# Altium PCB Power_Board.PcbDoc (part 1 of 3) (continued)
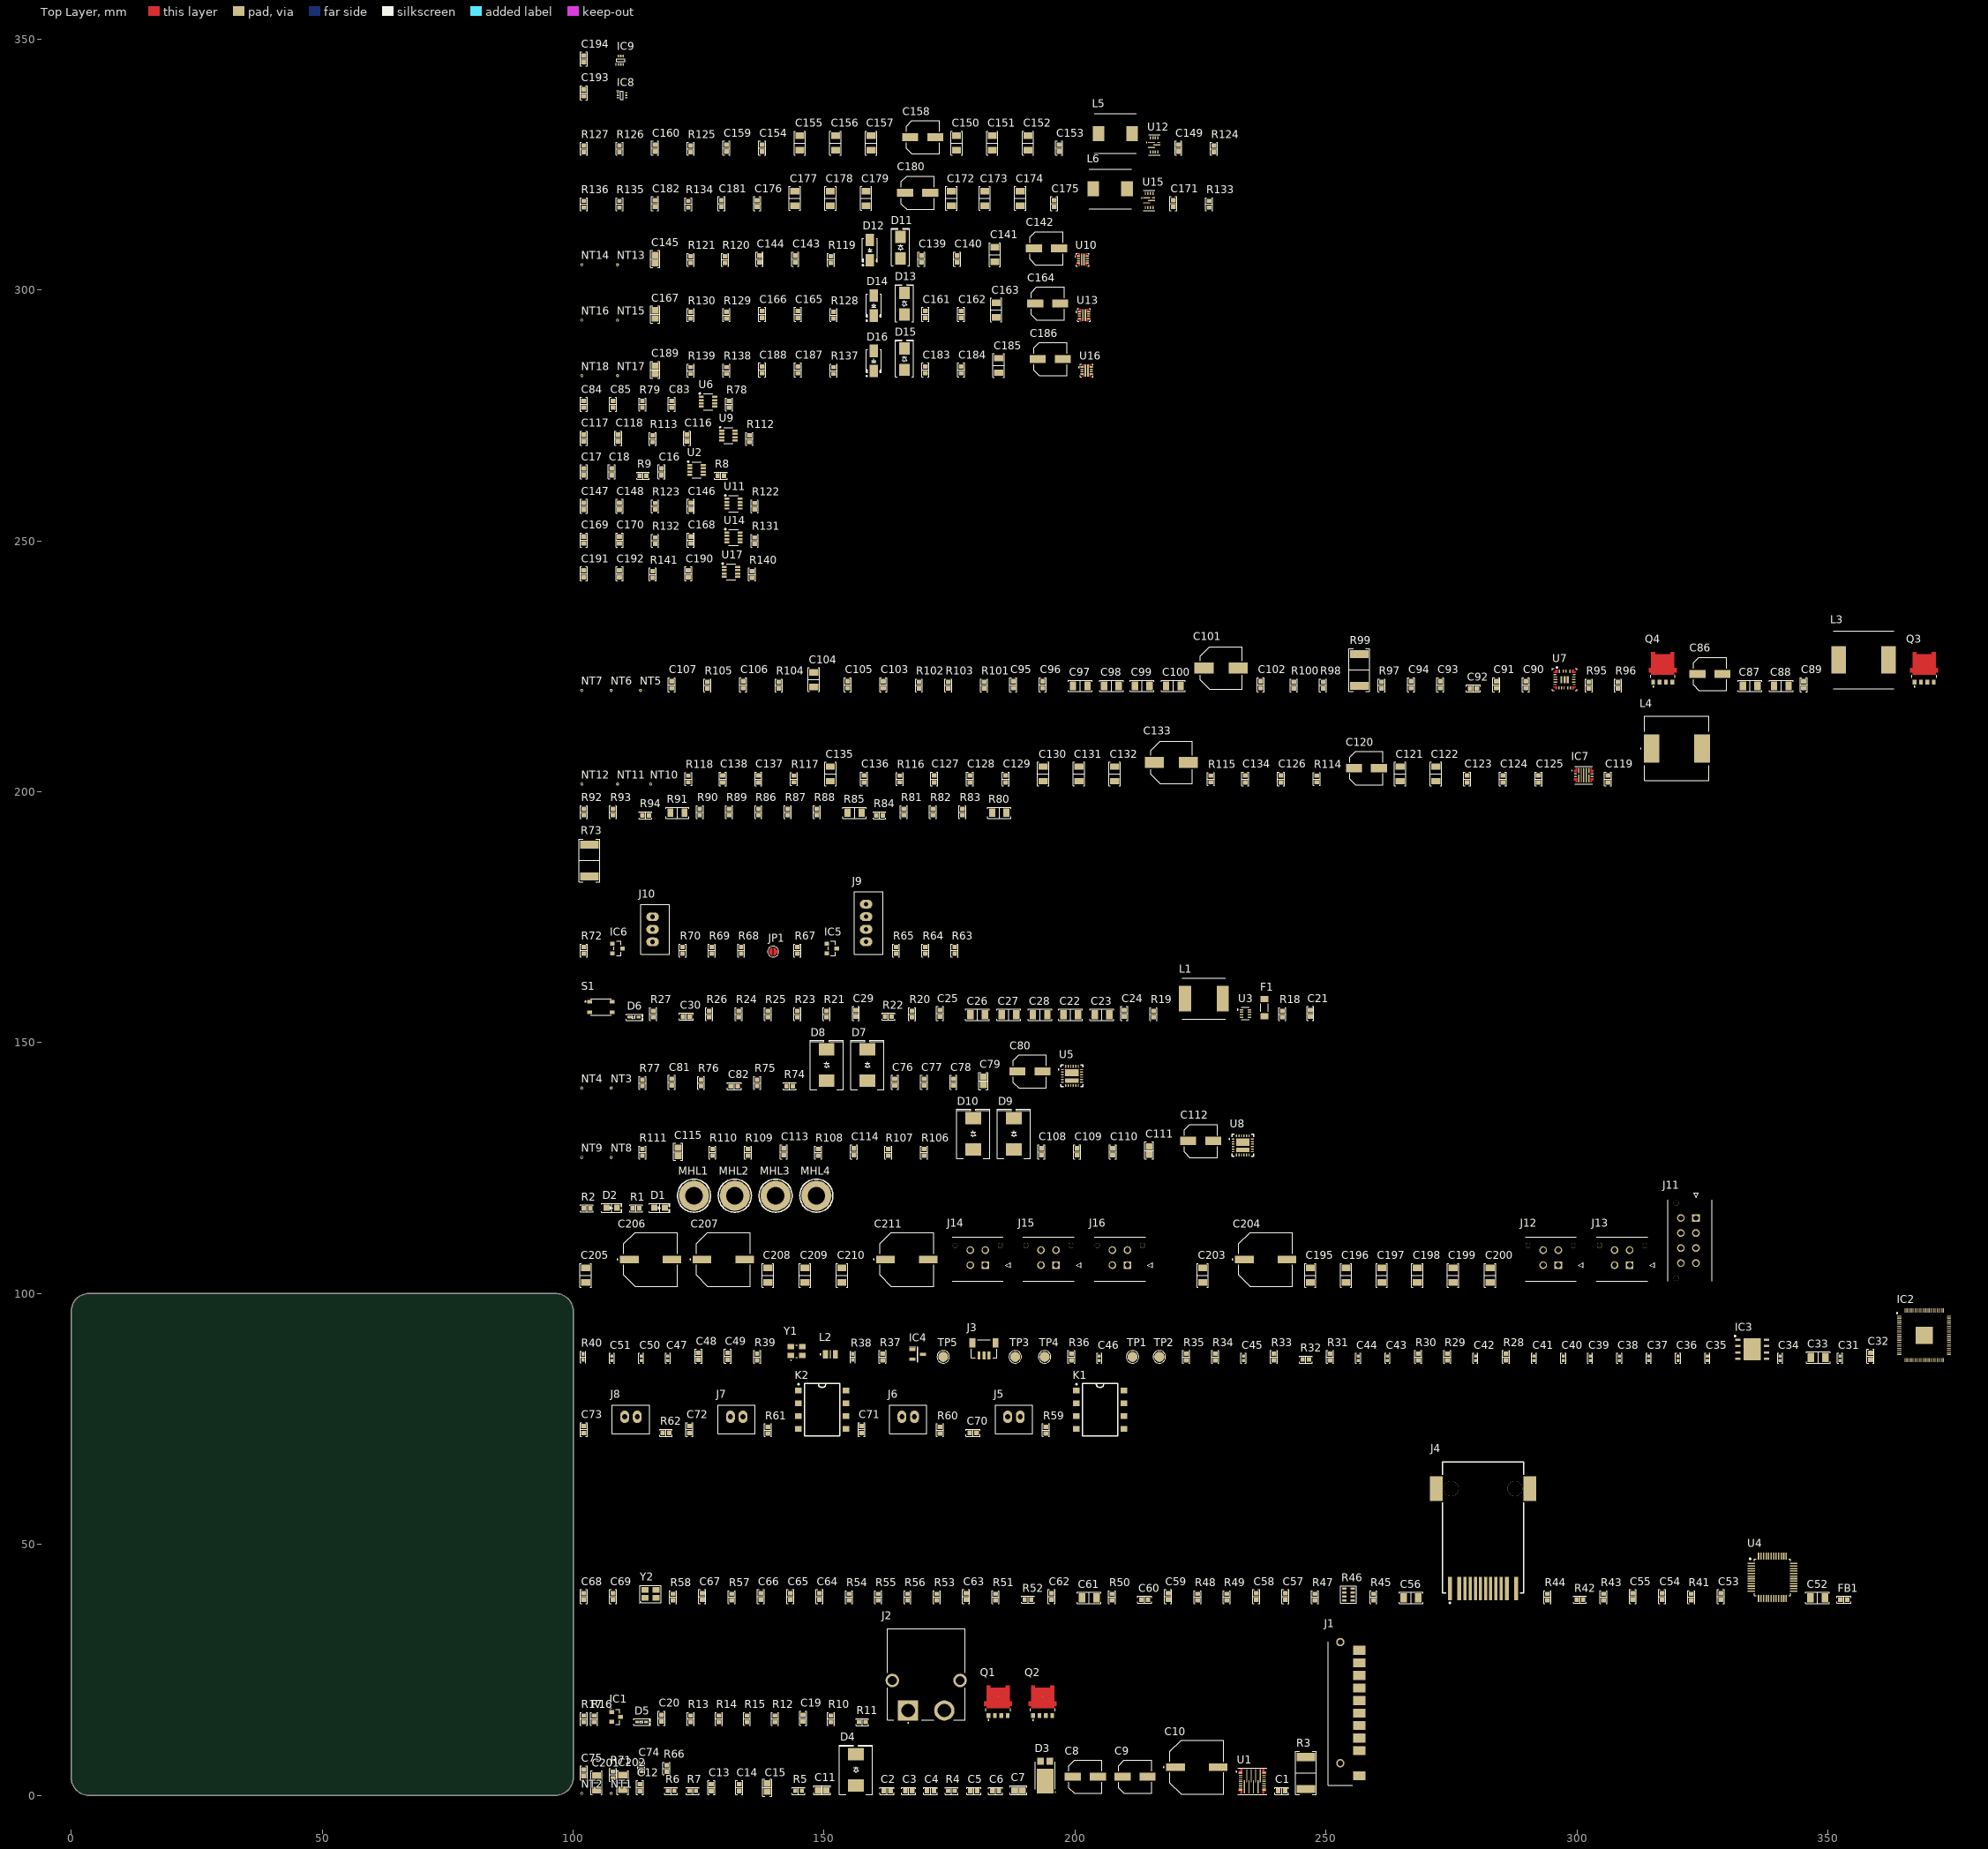
[diagram p0: Top Layer view]
## Components (designator, comment, footprint, x,y, rotation, side; value= is the part's Value field where it differs from the comment) (continued)
C96 "1µF" "CAP 0603_1608" 193.548,221.361 r90 top (schematic designator C11)
C97 "10µF" "CAP 1206_3216" 201.041,221.107 r0 top (schematic designator C12)
C98 "10µF" "CAP 1206_3216" 207.264,221.107 r0 top (schematic designator C13)
C99 "10µF" "CAP 1206_3216" 213.36,221.107 r0 top (schematic designator C14)
C100 "22 µF" "CAP 1206_3216 - 0.8MM" 219.583,221.107 r0 top (schematic designator C15)
C101 "330µF" CAPAE830X1250N 229.108,224.663 r0 top (schematic designator C16)
C102 "22pF" "CAP 0603_1608" 236.982,221.361 r90 top (schematic designator C17)
C103 "15nF" "CAP 0603_1608" 161.798,221.361 r90 top (schematic designator C18)
C104 "4.7µF" "CAP 1206_3216" 147.955,222.377 r90 top (schematic designator C19)
C105 "100nF" "CAP 0603_1608" 154.686,221.361 r90 top (schematic designator C20)
C106 "22pF" "CAP 0603_1608" 133.858,221.361 r90 top (schematic designator C21)
C107 "680pF" "CAP 0603_1608" 119.634,221.361 r90 top (schematic designator C22)
C108 "1µF" "CAP 0603_1608" 193.294,128.27 r90 top (schematic designator C136)
C109 "10nF" "CAP 0603_1608" 200.406,128.27 r90 top (schematic designator C137)
C110 "1µF" "CAP 0603_1608" 207.518,128.27 r90 top (schematic designator C138)
C111 "2.2µF" "CAP 0805_2012" 214.757,128.524 r90 top (schematic designator C139)
C112 "100 µF" "CAP ALSMD 6.6MM H7.7MM" 225.044,130.429 r0 top (schematic designator C140)
C113 "4.3nF" "CAP 0603_1608" 141.986,128.27 r90 top (schematic designator C141)
C114 "33nF" "CAP 0603_1608" 155.956,128.27 r90 top (schematic designator C142)
C115 "1nF" "CAP 0805_2012" 120.904,128.27 r90 top (schematic designator C143)
C116 "100nF" "CAP 0603_1608" 122.682,270.51 r90 top (schematic designator C1)
C117 "1µF" "CAP 0603_1608" 102.108,270.51 r90 top (schematic designator C2)
C118 "100nF" "CAP 0603_1608" 108.966,270.51 r90 top (schematic designator C3)
C119 "100nF" "CAP 0603_1608" 306.197,202.565 r90 top (schematic designator C23)
C120 "68 µF" "CAP ALSMD 6.6MM H7.7MM" 258.064,204.724 r0 top (schematic designator C24)
C121 "10µF" "CAP 1206_3216" 264.795,203.581 r90 top (schematic designator C25)
C122 "10µF" "CAP 1206_3216" 271.907,203.581 r90 top (schematic designator C26)
C123 "1µF" "CAP 0603_1608" 278.13,202.565 r90 top (schematic designator C27)
C124 "100nF" "CAP 0603_1608" 285.242,202.565 r90 top (schematic designator C28)
C125 "100nF" "CAP 0603_1608" 292.354,202.565 r90 top (schematic designator C29)
C126 "100nF" "CAP 0603_1608" 241.046,202.565 r90 top (schematic designator C30)
C127 "100nF" "CAP 0603_1608" 171.958,202.565 r90 top (schematic designator C31)
C128 "100nF" "CAP 0603_1608" 179.07,202.565 r90 top (schematic designator C32)
C129 "1µF" "CAP 0603_1608" 186.182,202.565 r90 top (schematic designator C33)
C130 "10µF" "CAP 1206_3216" 193.675,203.581 r90 top (schematic designator C34)
C131 "10µF" "CAP 1206_3216" 200.787,203.581 r90 top (schematic designator C35)
C132 "10µF" "CAP 1206_3216" 207.899,203.581 r90 top (schematic designator C36)
C133 "330µF" CAPAE830X1250N 219.202,205.867 r0 top (schematic designator C37)
C134 "22pF" "CAP 0603_1608" 233.934,202.565 r90 top (schematic designator C38)
C135 "4.7µF" "CAP 1206_3216" 151.257,203.581 r90 top (schematic designator C39)
C136 "100nF" "CAP 0603_1608" 157.988,202.565 r90 top (schematic designator C40)
C137 "8.2pF" "CAP 0603_1608" 136.906,202.565 r90 top (schematic designator C41)
C138 "1.8nF" "CAP 0603_1608" 129.794,202.565 r90 top (schematic designator C42)
C139 "1µF" "CAP 0603_1608" 169.418,306.197 r90 top (schematic designator C127)
C140 "100nF" "CAP 0603_1608" 176.53,306.197 r90 top (schematic designator C128)
C141 "4.7µF" "CAP 1206_3216" 184.023,307.086 r90 top (schematic designator C129)
C142 "100 µF" "CAP ALSMD 6.6MM H7.7MM" 194.31,308.356 r0 top (schematic designator C130)
C143 "2.7nF" "CAP 0603_1608" 144.272,306.197 r90 top (schematic designator C131)
C144 "15nF" "CAP 0603_1608" 137.16,306.197 r90 top (schematic designator C132)
C145 "1nF" "CAP 0805_2012" 116.332,306.197 r90 top (schematic designator C133)
C146 "100nF" "CAP 0603_1608" 123.444,256.921 r90 top (schematic designator C1)
C147 "1µF" "CAP 0603_1608" 102.108,256.921 r90 top (schematic designator C2)
C148 "100nF" "CAP 0603_1608" 109.22,256.921 r90 top (schematic designator C3)
C149 "100nF" "CAP 0603_1608" 220.599,328.295 r90 top (schematic designator C43)
C150 "10µF" "CAP 1206_3216" 176.403,329.311 r90 top (schematic designator C44)
C151 "10µF" "CAP 1206_3216" 183.515,329.311 r90 top (schematic designator C45)
C152 "10µF" "CAP 1206_3216" 190.627,329.311 r90 top (schematic designator C46)
C153 "100nF" "CAP 0603_1608" 196.85,328.295 r90 top (schematic designator C47)
C154 "22pF" "CAP 0603_1608" 137.668,328.295 r90 top (schematic designator C48)
C155 "22 µF" "CAP 1206_3216 - 0.8MM" 145.161,329.311 r90 top (schematic designator C49)
C156 "22 µF" "CAP 1206_3216 - 0.8MM" 152.273,329.311 r90 top (schematic designator C50)
C157 "22 µF" "CAP 1206_3216 - 0.8MM" 159.385,329.311 r90 top (schematic designator C51)
C158 "100 µF" "CAP ALSMD 6.6MM H7.7MM" 169.672,330.454 r0 top (schematic designator C52)
C159 "1µF" "CAP 0603_1608" 130.556,328.295 r90 top (schematic designator C53)
C160 "47nF" "CAP 0603_1608" 116.332,328.295 r90 top (schematic designator C54)
C161 "1µF" "CAP 0603_1608" 170.18,295.148 r90 top (schematic designator C127)
C162 "100nF" "CAP 0603_1608" 177.292,295.148 r90 top (schematic designator C128)
C163 "4.7µF" "CAP 1206_3216" 184.277,296.037 r90 top (schematic designator C129)
C164 "100 µF" "CAP ALSMD 6.6MM H7.7MM" 194.564,297.307 r0 top (schematic designator C130)
C165 "2.7nF" "CAP 0603_1608" 144.78,295.148 r90 top (schematic designator C131)
C166 "15nF" "CAP 0603_1608" 137.668,295.148 r90 top (schematic designator C132)
C167 "1nF" "CAP 0805_2012" 116.332,295.148 r90 top (schematic designator C133)
C168 "100nF" "CAP 0603_1608" 123.444,250.19 r90 top (schematic designator C1)
C169 "1µF" "CAP 0603_1608" 102.108,250.19 r90 top (schematic designator C2)
C170 "100nF" "CAP 0603_1608" 109.22,250.19 r90 top (schematic designator C3)
C171 "100nF" "CAP 0603_1608" 219.583,317.246 r90 top (schematic designator C43)
C172 "10µF" "CAP 1206_3216" 175.387,318.262 r90 top (schematic designator C44)
C173 "10µF" "CAP 1206_3216" 181.991,318.262 r90 top (schematic designator C45)
C174 "10µF" "CAP 1206_3216" 189.103,318.262 r90 top (schematic designator C46)
C175 "100nF" "CAP 0603_1608" 195.834,317.246 r90 top (schematic designator C47)
C176 "22pF" "CAP 0603_1608" 136.652,317.246 r90 top (schematic designator C48)
C177 "22 µF" "CAP 1206_3216 - 0.8MM" 144.145,318.262 r90 top (schematic designator C49)
C178 "22 µF" "CAP 1206_3216 - 0.8MM" 151.257,318.262 r90 top (schematic designator C50)
C179 "22 µF" "CAP 1206_3216 - 0.8MM" 158.369,318.262 r90 top (schematic designator C51)
C180 "100 µF" "CAP ALSMD 6.6MM H7.7MM" 168.656,319.405 r0 top (schematic designator C52)
C181 "1µF" "CAP 0603_1608" 129.54,317.246 r90 top (schematic designator C53)
C182 "47nF" "CAP 0603_1608" 116.332,317.246 r90 top (schematic designator C54)
C183 "1µF" "CAP 0603_1608" 170.18,284.099 r90 top (schematic designator C127)
C184 "100nF" "CAP 0603_1608" 177.292,284.099 r90 top (schematic designator C128)
C185 "4.7µF" "CAP 1206_3216" 184.785,284.988 r90 top (schematic designator C129)
C186 "100 µF" "CAP ALSMD 6.6MM H7.7MM" 195.072,286.258 r0 top (schematic designator C130)
C187 "2.7nF" "CAP 0603_1608" 144.78,284.099 r90 top (schematic designator C131)
C188 "15nF" "CAP 0603_1608" 137.668,284.099 r90 top (schematic designator C132)
C189 "1nF" "CAP 0805_2012" 116.332,284.099 r90 top (schematic designator C133)
C190 "100nF" "CAP 0603_1608" 122.936,243.459 r90 top (schematic designator C1)
C191 "1µF" "CAP 0603_1608" 102.108,243.459 r90 top (schematic designator C2)
C192 "100nF" "CAP 0603_1608" 109.22,243.459 r90 top (schematic designator C3)
C193 "100nF" "CAP 0603_1608" 102.108,339.344 r90 top (schematic designator C1)
C194 "100nF" "CAP 0603_1608" 102.108,346.075 r90 top (schematic designator C1)
C195 "22 µF" "CAP 1206_3216 - 0.8MM" 246.888,103.632 r90 top (schematic designator C110)
C196 "22 µF" "CAP 1206_3216 - 0.8MM" 254,103.632 r90 top (schematic designator C111)
C197 "22 µF" "CAP 1206_3216 - 0.8MM" 261.112,103.632 r90 top (schematic designator C112)
C198 "22 µF" "CAP 1206_3216 - 0.8MM" 268.224,103.632 r90 top (schematic designator C113)
C199 "22 µF" "CAP 1206_3216 - 0.8MM" 275.336,103.632 r90 top (schematic designator C114)
C200 "22 µF" "CAP 1206_3216 - 0.8MM" 282.702,103.632 r90 top (schematic designator C115)
C201 "22 µF" "CAP 1206_3216 - 0.8MM" 104.648,2.487 r90 top (schematic designator C116)
C202 "22 µF" "CAP 1206_3216 - 0.8MM" 109.855,2.54 r90 top (schematic designator C117)
C203 "22 µF" "CAP 1206_3216 - 0.8MM" 225.425,103.632 r90 top (schematic designator C118)
C204 "470µF" CAP_A781-MN_KEM 237.998,106.807 r0 top (schematic designator C119)
C205 "22 µF" "CAP 1206_3216 - 0.8MM" 102.489,103.632 r90 top (schematic designator C120)
C206 "470µF" CAP_A781-MN_KEM 115.443,106.807 r0 top (schematic designator C121)
C207 "470µF" CAP_A781-MN_KEM 129.921,106.807 r0 top (schematic designator C122)
C208 "22 µF" "CAP 1206_3216 - 0.8MM" 138.811,103.632 r90 top (schematic designator C123)
C209 "22 µF" "CAP 1206_3216 - 0.8MM" 146.177,103.632 r90 top (schematic designator C124)
C210 "22 µF" "CAP 1206_3216 - 0.8MM" 153.543,103.632 r90 top (schematic designator C125)
C211 "470µF" CAP_A781-MN_KEM 166.497,106.807 r0 top (schematic designator C126)
D1 "LED" "LED 0805_2012" 117.221,117.094 r0 top
D2 "LED" "LED 0805_2012" 107.696,117.094 r0 top
D3 "SBR10U45SP5-13" "DIODES INC SDT10A45P5" 194.056,3.937 r90 top
D4 "SMDJ13A" "DO214AB SMC" 156.337,5.08 r90 top
D5 "ESD5Z3.3T1G" SOD523F 113.665,14.605 r0 top
D6 "ESD5Z3.3T1G" SOD523F 112.141,155.067 r0 top
D7 "SMCJ13A" "DO214AB SMC" 158.623,145.542 r90 top
D8 "B530C-13-F" "DO214AB SMC" 150.495,145.542 r90 top
D9 "SMCJ13A" "DO214AB SMC" 187.833,131.826 r90 top (schematic designator D11)
D10 "B530C-13-F" "DO214AB SMC" 179.705,131.826 r90 top (schematic designator D12)
D11 "SMBJ13A" "DO214AA SMB" 165.227,308.483 r90 top (schematic designator D9)
D12 "B320AF-13" "DIODES INC SMAF" 159.131,307.975 r90 top (schematic designator D10)
D13 "SMBJ13A" "DO214AA SMB" 165.989,297.307 r90 top (schematic designator D9)
D14 "B320AF-13" "DIODES INC SMAF" 159.893,296.926 r90 top (schematic designator D10)
D15 "SMBJ13A" "DO214AA SMB" 165.989,286.258 r90 top (schematic designator D9)
D16 "B320AF-13" "DIODES INC SMAF" 159.893,285.877 r90 top (schematic designator D10)
F1 "SF-1206F050-2" "FUSE 1206_3216 0.6MM" 237.744,156.972 r90 top
FB1 "180 Ohms @ 100 MHz" "FER 0603_1608" 353.187,38.989 r0 top
IC1 "IRLML6344TRPBF" "INFINEON SOT-23-3" 108.585,15.621 r0 top (schematic designator IC2)
IC2 "SC1510-A4" QFN40P1000X1000X90-81N-D 369.189,91.694 r0 top (schematic designator IC3)
IC3 "W25Q64JVZPIQ" SON127P600X500X80-9N-D 334.899,88.9 r0 top (schematic designator IC4)
IC4 "LM4040A20IDBZR" SOT95P237X112-3N 168.656,87.884 r0 top (schematic designator IC5)
IC5 "DMP2045UQ-7" "DIODES SOT-23-3" 151.511,168.783 r0 top (schematic designator IC6)
IC6 "DMP2045UQ-7" "DIODES SOT-23-3" 108.839,168.783 r0 top (schematic designator IC7)
IC7 "TPS55285VALR" WQFN-HR15_VAL_TEX 301.371,203.327 r0 top (schematic designator IC1)
IC8 "TMP112NAIDRLR" SOTFL50P160X60-6N 109.728,338.836 r0 top (schematic designator IC1)
IC9 "TMP112NAIDRLR" SOTFL50P160X60-6N 109.474,345.821 r90 top (schematic designator IC1)
J1 "1-1473776-7" 114737767 252.857,16.383 r90 top
J2 "XT60PW-M" XT60PWM 166.751,16.891 r0 top
J3 "BM03B-SRSS-TB(LF)(SN)" "JST BM03B-SRSS-TB" 181.864,88.9 r0 top
J4 "HR961160C" HR961160C 281.305,53.34 r0 top (schematic designator J1)
J5 "B2B-XH-A(LF)(SN)" "JST XH B2B-XH-A" 187.833,75.438 r0 top (schematic designator J12)
J6 "B2B-XH-A(LF)(SN)" "JST XH B2B-XH-A" 166.751,75.438 r0 top (schematic designator J13)
J7 "B2B-XH-A(LF)(SN)" "JST XH B2B-XH-A" 132.588,75.438 r0 top (schematic designator J14)
J8 "B2B-XH-A(LF)(SN)" "JST XH B2B-XH-A" 111.506,75.438 r0 top (schematic designator J15)
J9 "B4B-XH-A(LF)(SN)" "JST XH B4B-XH-A" 158.369,173.863 r90 top (schematic designator J10)
J10 "B3B-XH-A(LF)(SN)" "JST XH B3B-XH-A" 115.824,172.593 r90 top (schematic designator J11)
J11 "43045-0812" 43045-08YY_121314 323.723,115.062 r90 top (schematic designator J4)
J12 "43045-0412" 43045-04YY_121314 296.291,105.664 r0 top (schematic designator J5)
J13 "43045-0412" 43045-04YY_121314 310.515,105.664 r0 top (schematic designator J6)
J14 "43045-0412" 43045-04YY_121314 182.118,105.664 r0 top (schematic designator J7)
J15 "43045-0412" 43045-04YY_121314 196.215,105.664 r0 top (schematic designator J8)
J16 "43045-0412" 43045-04YY_121314 210.439,105.664 r0 top (schematic designator J9)
JP1 "Jumper Pad" Jumper_Pad 139.827,168.148 r0 top
K1 "VOR2121B8" SMD-8_VOR2121B_VIS 204.978,76.835 r0 top
K2 "VOR2121B8" SMD-8_VOR2121B_VIS 149.606,76.835 r0 top
L1 "6.8µH" INDPM8682X400N 225.679,158.75 r0 top (schematic designator L4)
L2 "3.3µH" AOTAB201610S3R3101T 151.257,87.884 r0 top (schematic designator L5)
L3 "4.7µH" WE-HCC_121021 357.124,226.314 r0 top (schematic designator L1)
L4 "4.7µH" B82477G4472M000 319.913,208.661 r0 top (schematic designator L2)
L5 "1.5µH" WE-HCC_807021 208.026,331.216 r0 top (schematic designator L3)
L6 "1.5µH" WE-HCC_807021 207.01,320.167 r0 top (schematic designator L3)
MHL1 "Hole" Hole_3.5mm 124.079,119.507 r0 top
MHL2 "Hole" Hole_3.5mm 132.207,119.507 r0 top
MHL3 "Hole" Hole_3.5mm 140.335,119.507 r0 top
MHL4 "Hole" Hole_3.5mm 148.463,119.507 r0 top
NT1 "Net Tie" Net_Tie_Via 107.569,0.381 r90 top net-tie (schematic designator NT7)
NT2 "Net Tie" Net_Tie_Via 101.727,0.381 r90 top net-tie (schematic designator NT8)
NT3 "Net Tie" Net_Tie_Via 107.569,140.97 r90 top net-tie (schematic designator NT9)
NT4 "Net Tie" Net_Tie_Via 101.727,140.97 r90 top net-tie (schematic designator NT10)
NT5 "Net Tie" Net_Tie_Via 113.411,220.218 r90 top net-tie (schematic designator NT1)
NT6 "Net Tie" Net_Tie_Via 107.569,220.218 r90 top net-tie (schematic designator NT2)
NT7 "Net Tie" Net_Tie_Via 101.727,220.218 r90 top net-tie (schematic designator NT3)
NT8 "Net Tie" Net_Tie_Via 107.569,127.127 r90 top net-tie (schematic designator NT13)
NT9 "Net Tie" Net_Tie_Via 101.727,127.127 r90 top net-tie (schematic designator NT14)
NT10 "Net Tie" Net_Tie_Via 115.443,201.549 r90 top net-tie (schematic designator NT4)
NT11 "Net Tie" Net_Tie_Via 108.839,201.549 r90 top net-tie (schematic designator NT5)
NT12 "Net Tie" Net_Tie_Via 101.727,201.549 r90 top net-tie (schematic designator NT6)
NT13 "Net Tie" Net_Tie_Via 108.839,305.054 r90 top net-tie (schematic designator NT11)
NT14 "Net Tie" Net_Tie_Via 101.727,305.054 r90 top net-tie (schematic designator NT12)
NT15 "Net Tie" Net_Tie_Via 108.839,294.005 r90 top net-tie (schematic designator NT11)
NT16 "Net Tie" Net_Tie_Via 101.727,294.005 r90 top net-tie (schematic designator NT12)
NT17 "Net Tie" Net_Tie_Via 108.839,282.956 r90 top net-tie (schematic designator NT11)
NT18 "Net Tie" Net_Tie_Via 101.727,282.956 r90 top net-tie (schematic designator NT12)
Q1 "NTMFS003P03P8ZT1G" NVMFS4C05NWFET1G 182.753,15.875 r0 top (schematic designator Q3)
Q2 "NTMFS003P03P8ZT1G" NVMFS4C05NWFET1G 191.643,15.875 r0 top (schematic designator Q4)
Q3 "NVMFS4C305NET1G-YE" NVMFS4C05NWFET1G 367.284,221.869 r0 top (schematic designator Q1)
Q4 "NVMFS4C305NET1G-YE" NVMFS4C05NWFET1G 315.214,221.869 r0 top (schematic designator Q2)
R1 "330R" "RES 0603_1608" 112.522,116.967 r0 top
R2 "330R" "RES 0603_1608" 102.743,116.967 r0 top
R3 "1 mOhms" "RES 2512_6432" 245.999,4.445 r90 top (schematic designator R23)
R4 "10R" "RES 0603_1608" 175.387,0.889 r0 top (schematic designator R24)
R5 "10k" "RES 0603_1608" 144.907,0.889 r0 top (schematic designator R25)
R6 "1.3k" "RES 0603_1608" 119.507,0.889 r0 top (schematic designator R26)
R7 "3.6k" "RES 0603_1608" 123.825,0.889 r0 top (schematic designator R27)
R8 "27R" "RES 0603_1608" 129.413,263.017 r0 top (schematic designator R1)
R9 "27R" "RES 0603_1608" 113.919,263.017 r0 top (schematic designator R2)
R10 "18.7k" "RES 0603_1608" 151.384,15.24 r90 top (schematic designator R28)
R11 "3.4k" "RES 0603_1608" 157.607,14.605 r0 top (schematic designator R29)
R12 "100R" "RES 0603_1608" 140.208,15.24 r90 top (schematic designator R30)
R13 "210R" "RES 0603_1608" 123.444,15.24 r90 top (schematic designator R31)
R14 "48.7k" "RES 0603_1608" 129.032,15.24 r90 top (schematic designator R32)
R15 "210R" "RES 0603_1608" 134.62,15.24 r90 top (schematic designator R33)
R16 "210R" "RES 0603_1608" 104.14,15.24 r90 top (schematic designator R34)
R17 "10k" "RES 0603_1608" 102.108,15.24 r90 top (schematic designator R35)
R18 "0R" "RES 0603_1608" 241.3,155.702 r90 top (schematic designator R36)
R19 "137k" "RES 0603_1608" 215.646,155.702 r90 top (schematic designator R37)
R20 "30.9k" "RES 0603_1608" 167.513,155.702 r90 top (schematic designator R38)
R21 "20k" "RES 0603_1608" 150.495,155.702 r90 top (schematic designator R39)
R22 "0R" "RES 0603_1608" 162.814,155.194 r0 top (schematic designator R40)
R23 "10k" "RES 0603_1608" 144.653,155.702 r90 top (schematic designator R41)
R24 "15k" "RES 0603_1608" 132.969,155.702 r90 top (schematic designator R42)
R25 "10k" "RES 0603_1608" 138.811,155.702 r90 top (schematic designator R43)
R26 "100R" "RES 0603_1608" 127.127,155.702 r90 top (schematic designator R44)
R27 "10k" "RES 0603_1608" 115.951,155.702 r90 top (schematic designator R45)
R28 "4.7k" "RES 0603_1608" 285.877,87.376 r90 top (schematic designator R46)
R29 "4.7k" "RES 0603_1608" 274.193,87.376 r90 top (schematic designator R47)
R30 "4.7k" "RES 0603_1608" 268.351,87.376 r90 top (schematic designator R48)
R31 "27R" "RES 0603_1608" 250.825,87.376 r90 top (schematic designator R49)
R32 "4.7k" "RES 0603_1608" 245.999,86.868 r0 top (schematic designator R50)
R33 "27R" "RES 0603_1608" 239.649,87.376 r90 top (schematic designator R51)
R34 "4.7k" "RES 0603_1608" 227.965,87.376 r90 top (schematic designator R52)
R35 "4.7k" "RES 0603_1608" 222.123,87.376 r90 top (schematic designator R53)
R36 "100R" "RES 0603_1608" 199.263,87.376 r90 top (schematic designator R54)
R37 "2k" "RES 0603_1608" 161.671,87.376 r90 top (schematic designator R55)
R38 "33R" "RES 0402_1005" 155.702,87.376 r90 top (schematic designator R56)
R39 "100R" "RES 0603_1608" 136.652,87.376 r90 top (schematic designator R57)
R40 "1k" "RES 0402_1005" 101.981,87.376 r90 top (schematic designator R58)
R41 "10R" "RES 0603_1608" 322.834,39.497 r90 top (schematic designator R1)
R42 "49.9R" "RES 0603_1608" 300.609,38.989 r0 top (schematic designator R2)
R43 "49.9R" "RES 0603_1608" 305.308,39.497 r90 top (schematic designator R3)
R44 "33R" "RES 0603_1608" 294.132,39.497 r90 top (schematic designator R4)
R45 "330R" "RES 0603_1608" 259.461,39.497 r90 top (schematic designator R5)
R46 "YC164-JR-0733RL" "RESNET 1206-8 CONVEX" 254.508,40.005 r0 top (schematic designator R6)
R47 "33R" "RES 0603_1608" 247.777,39.497 r90 top (schematic designator R7)
R48 "33R" "RES 0603_1608" 224.409,39.497 r90 top (schematic designator R8)
R49 "330R" "RES 0603_1608" 230.251,39.497 r90 top (schematic designator R9)
R50 "33R" "RES 0603_1608" 207.391,39.497 r90 top (schematic designator R10)
R51 "49.9R" "RES 0603_1608" 184.15,39.497 r90 top (schematic designator R11)
R52 "49.9R" "RES 0603_1608" 190.627,38.989 r0 top (schematic designator R12)
R53 "10k" "RES 0603_1608" 172.466,39.497 r90 top (schematic designator R13)
R54 "10k" "RES 0603_1608" 154.94,39.497 r90 top (schematic designator R14)
R55 "10k" "RES 0603_1608" 160.782,39.497 r90 top (schematic designator R15)
R56 "10k" "RES 0603_1608" 166.624,39.497 r90 top (schematic designator R16)
R57 "12.4k" "RES 0603_1608" 131.572,39.497 r90 top (schematic designator R17)
R58 "1M" "RES 0603_1608" 119.888,39.497 r90 top (schematic designator R18)
R59 "330R" "RES 0603_1608" 194.183,72.771 r90 top (schematic designator R98)
R60 "330R" "RES 0603_1608" 173.101,72.771 r90 top (schematic designator R99)
R61 "330R" "RES 0603_1608" 138.811,72.771 r90 top (schematic designator R100)
R62 "330R" "RES 0603_1608" 118.491,72.263 r0 top (schematic designator R101)
R63 "10k" "RES 0603_1608" 176.022,168.402 r90 top (schematic designator R82)
R64 "10k" "RES 0603_1608" 170.18,168.402 r90 top (schematic designator R83)
R65 "210R" "RES 0603_1608" 164.338,168.402 r90 top (schematic designator R84)
R66 "806R" "RES 0603_1608" 118.618,5.334 r90 top (schematic designator R85)
R67 "0R" "RES 0603_1608" 144.653,168.402 r90 top (schematic designator R86)
R68 "10k" "RES 0603_1608" 133.477,168.402 r90 top (schematic designator R87)
R69 "10k" "RES 0603_1608" 127.635,168.402 r90 top (schematic designator R88)
R70 "210R" "RES 0603_1608" 121.793,168.402 r90 top (schematic designator R89)
R71 "806R" "RES 0603_1608" 107.95,4.064 r90 top (schematic designator R90)
R72 "0R" "RES 0603_1608" 102.108,168.402 r90 top (schematic designator R91)
R73 "1 mOhms" "RES 2512_6432" 103.251,186.309 r90 top (schematic designator R81)
R74 "10k" "RES 0603_1608" 143.129,141.351 r0 top (schematic designator R59)
R75 "806R" "RES 0603_1608" 136.652,141.986 r90 top (schematic designator R60)
R76 "147R" "RES 0603_1608" 125.476,141.986 r90 top (schematic designator R61)
R77 "10k" "RES 0603_1608" 113.792,141.986 r90 top (schematic designator R62)
R78 "27R" "RES 0603_1608" 131.064,277.241 r90 top (schematic designator R1)
R79 "27R" "RES 0603_1608" 113.792,277.241 r90 top (schematic designator R2)
R80 "7 mOhms" "RES 1206_3216" 184.912,195.834 r0 top (schematic designator R63)
R81 "6.81k" "RES 0603_1608" 165.862,195.961 r90 top (schematic designator R64)
R82 "48.7k" "RES 0603_1608" 171.704,195.961 r90 top (schematic designator R65)
R83 "3k" "RES 0603_1608" 177.546,195.961 r90 top (schematic designator R66)
R84 "147k" "RES 0603_1608" 161.036,195.326 r0 top (schematic designator R67)
R85 "4 mOhms" "RES 1206_3216" 156.083,195.834 r0 top (schematic designator R68)
R86 "36k" "RES 0603_1608" 136.906,195.961 r90 top (schematic designator R69)
R87 "137k" "RES 0603_1608" 142.748,195.961 r90 top (schematic designator R70)
R88 "2k" "RES 0603_1608" 148.59,195.961 r90 top (schematic designator R71)
R89 "4.7k" "RES 0603_1608" 131.064,195.961 r90 top (schematic designator R72)
R90 "90.9k" "RES 0603_1608" 125.222,195.961 r90 top (schematic designator R73)
R91 "4 mOhms" "RES 1206_3216" 120.777,195.834 r0 top (schematic designator R74)
R92 "41.2k" "RES 0603_1608" 102.108,195.961 r90 top (schematic designator R75)
R93 "255k" "RES 0603_1608" 107.95,195.961 r90 top (schematic designator R76)
R94 "2k" "RES 0603_1608" 114.427,195.326 r0 top (schematic designator R77)
R95 "1R" "RES 0603_1608" 302.387,221.234 r90 top (schematic designator R3)
R96 "1R" "RES 0603_1608" 308.229,221.234 r90 top (schematic designator R4)
R97 "10k" "RES 0603_1608" 261.112,221.234 r90 top (schematic designator R5)
R98 "6.19k" "RES 0603_1608" 249.428,221.234 r90 top (schematic designator R6)
R99 "3 mOhms" "RES 2512_6432" 256.667,224.282 r90 top (schematic designator R7)
R100 "100k" "RES 0603_1608" 243.586,221.234 r90 top (schematic designator R8)
R101 "6.19k" "RES 0603_1608" 181.864,221.234 r90 top (schematic designator R9)
R102 "49.3k" "RES 0603_1608" 168.91,221.234 r90 top (schematic designator R10)
R103 "20k" "RES 0603_1608" 174.752,221.234 r90 top (schematic designator R11)
R104 "470k" "RES 0603_1608" 140.97,221.234 r90 top (schematic designator R12)
R105 "21.3k" "RES 0603_1608" 126.746,221.234 r90 top (schematic designator R13)
R106 "10k" "RES 0603_1608" 169.926,128.143 r90 top (schematic designator R92)
R107 "1.87k" "RES 0603_1608" 162.814,128.143 r90 top (schematic designator R93)
R108 "210R" "RES 0603_1608" 148.844,128.143 r90 top (schematic designator R94)
R109 "470k" "RES 0603_1608" 134.874,128.143 r90 top (schematic designator R95)
R110 "48.7k" "RES 0603_1608" 127.762,128.143 r90 top (schematic designator R96)
R111 "137k" "RES 0603_1608" 113.792,128.143 r90 top (schematic designator R97)
R112 "27R" "RES 0603_1608" 135.128,270.383 r90 top (schematic designator R1)
R113 "27R" "RES 0603_1608" 115.824,270.383 r90 top (schematic designator R2)
R114 "24.9k" "RES 0603_1608" 248.158,202.565 r90 top (schematic designator R14)
R115 "102k" "RES 0603_1608" 227.076,202.565 r90 top (schematic designator R15)
R116 "102k" "RES 0603_1608" 165.1,202.565 r90 top (schematic designator R16)
R117 "2.46k" "RES 0603_1608" 144.018,202.565 r90 top (schematic designator R17)
R118 "10k" "RES 0603_1608" 122.936,202.565 r90 top (schematic designator R18)
R119 "100R" "RES 0603_1608" 151.384,306.07 r90 top (schematic designator R78)
R120 "470k" "RES 0603_1608" 130.302,306.07 r90 top (schematic designator R79)
R121 "10k" "RES 0603_1608" 123.444,306.07 r90 top (schematic designator R80)
R122 "27R" "RES 0603_1608" 136.144,256.921 r90 top (schematic designator R1)
R123 "27R" "RES 0603_1608" 116.332,256.921 r90 top (schematic designator R2)
R124 "0R" "RES 0603_1608" 227.711,328.168 r90 top (schematic designator R19)
R125 "20k" "RES 0603_1608" 123.444,328.168 r90 top (schematic designator R20)
R126 "10k" "RES 0603_1608" 109.22,328.168 r90 top (schematic designator R21)
R127 "10k" "RES 0603_1608" 102.108,328.168 r90 top (schematic designator R22)
R128 "100R" "RES 0603_1608" 151.892,295.021 r90 top (schematic designator R78)
R129 "470k" "RES 0603_1608" 130.556,295.021 r90 top (schematic designator R79)
R130 "10k" "RES 0603_1608" 123.444,295.021 r90 top (schematic designator R80)
R131 "27R" "RES 0603_1608" 136.144,250.063 r90 top (schematic designator R1)
R132 "27R" "RES 0603_1608" 116.332,250.063 r90 top (schematic designator R2)
R133 "0R" "RES 0603_1608" 226.695,317.119 r90 top (schematic designator R19)
R134 "20k" "RES 0603_1608" 122.936,317.119 r90 top (schematic designator R20)
R135 "10k" "RES 0603_1608" 109.22,317.119 r90 top (schematic designator R21)
R136 "10k" "RES 0603_1608" 102.108,317.119 r90 top (schematic designator R22)
R137 "100R" "RES 0603_1608" 151.892,283.972 r90 top (schematic designator R78)
R138 "470k" "RES 0603_1608" 130.556,283.972 r90 top (schematic designator R79)
R139 "10k" "RES 0603_1608" 123.444,283.972 r90 top (schematic designator R80)
R140 "27R" "RES 0603_1608" 135.636,243.332 r90 top (schematic designator R1)
R141 "27R" "RES 0603_1608" 115.824,243.332 r90 top (schematic designator R2)
S1 "PTS815SJK250SMTRLFS" PTS815SJK250SMTRLFS 105.537,157.099 r0 top
TP1 "Test Point" Test_Point_2mm 211.455,87.376 r0 top
TP2 "Test Point" Test_Point_2mm 216.789,87.376 r0 top
TP3 "Test Point" Test_Point_2mm 188.087,87.376 r0 top
TP4 "Test Point" Test_Point_2mm 193.929,87.376 r0 top
TP5 "Test Point" Test_Point_2mm 173.736,87.376 r0 top
U1 "TPS25990ARQPR" VQFN26_RQP_TEX 235.331,2.794 r0 top (schematic designator U3)
U2 "INA236AIDDFR" SOT23-8_DDF_TEX 124.587,264.16 r0 top (schematic designator U1)
U3 "TPS62932DRLR" SOT8_DRL_TEX 233.934,155.829 r0 top (schematic designator U4)
U4 "W5500" 48LQFP_W5500_WIZ 338.963,43.434 r0 top (schematic designator U1)
U5 "TPS259830ONRGER" VQFN24_RGE_TEX 199.39,143.383 r0 top
U6 "INA236AIDDFR" SOT23-8_DDF_TEX 126.873,277.749 r0 top (schematic designator U1)
U7 "TPS55288RPMR" VQFN-HR26_RPM_TEX 297.561,222.377 r0 top (schematic designator U1)
U8 "TPS259830ONRGER" VQFN24_RGE_TEX 233.426,129.54 r0 top (schematic designator U7)
U9 "INA236AIDDFR" SOT23-8_DDF_TEX 130.937,271.018 r0 top (schematic designator U1)
U10 "TPS259814LRPWR" VQFN10_RPW_TEX 201.549,306.07 r0 top (schematic designator U6)
U11 "INA236AIDDFR" SOT23-8_DDF_TEX 131.953,257.429 r0 top (schematic designator U1)
U12 "TPS51386RJNR" VQFN-HR12_RJN_TEX 215.773,328.93 r0 top (schematic designator U2)
U13 "TPS259814LRPWR" VQFN10_RPW_TEX 201.803,295.021 r0 top (schematic designator U6)
U14 "INA236AIDDFR" SOT23-8_DDF_TEX 131.953,250.698 r0 top (schematic designator U1)
U15 "TPS51386RJNR" VQFN-HR12_RJN_TEX 214.757,317.881 r0 top (schematic designator U2)
U16 "TPS259814LRPWR" VQFN10_RPW_TEX 202.311,283.972 r0 top (schematic designator U6)
U17 "INA236AIDDFR" SOT23-8_DDF_TEX 131.445,243.84 r0 top (schematic designator U1)
Y1 "ABM8-272-T3" ABM8272T3 144.526,88.519 r0 top
Y2 "25 MHz" "EPSON TSX-3225" 115.443,40.132 r0 top (schematic designator Y1)

## Footprints (in the part's own frame and the unit in brackets; to place one, negate y for a bottom-side part, rotate by r counter-clockwise, add the part's x,y. Pads: shape width x height; smd on the part's side, far side on the other; paste and mask are expansions set on the pad)
48LQFP_W5500_WIZ [mil]
  rect 57.56x11 smd paste+0 mask+0: 1(-166,108.27) 2(-166,88.58) 3(-166,68.9) 4(-166,49.21) 5(-166,29.53) 6(-166,9.84) 7(-166,-9.84) 8(-166,-29.53) 9(-166,-49.21) 10(-166,-68.9) 11(-166,-88.58) 12(-166,-108.27) 25(166,-108.27) 26(166,-88.58) 27(166,-68.9) 28(166,-49.21) 29(166,-29.53) 30(166,-9.84) 31(166,9.84) 32(166,29.53) 33(166,49.21) 34(166,68.9) 35(166,88.58) 36(166,108.27)
  rect 11x57.56 smd paste+0 mask+0: 13(-108.27,-166) 14(-88.58,-166) 15(-68.9,-166) 16(-49.21,-166) 17(-29.53,-166) 18(-9.84,-166) 19(9.84,-166) 20(29.53,-166) 21(49.21,-166) 22(68.9,-166) 23(88.58,-166) 24(108.27,-166) 37(108.27,166) 38(88.58,166) 39(68.9,166) 40(49.21,166) 41(29.53,166) 42(9.84,166) 43(-9.84,166) 44(-29.53,166) 45(-49.21,166) 46(-68.9,166) 47(-88.58,166) 48(-108.27,166)
  silkscreen extent -180,-143 143,150, body extent -181,-181 181,181, height 63
43045-04YY_121314 [mm]
  rect 1.52x1.52 hole 1.02: 1(0,0)
  round 1.52 hole 1.02: 2(-3,0) 3(0,3) 4(-3,3)
  round 1.02 hole 1.02 unplated: 5(3,3.94) 6(-6,3.94)
  silkscreen extent -6.58,-3.17 5,5.6, body extent -6.56,-2.44 3.58,6.33, height 9.85
43045-08YY_121314 [mm]
  rect 1.52x1.52 hole 1.02: 1(0,0)
  round 1.52 hole 1.02: 2(-3,0) 3(-6,0) 4(-9,0) 5(0,3) 6(-3,3) 7(-6,3) 8(-9,3)
  round 1.02 hole 1.02 unplated: 9(3,3.94) 10(-12,3.94)
  silkscreen extent -12.57,-3.17 5,5.6, body extent -12.58,-2.47 3.57,6.3, height 9.83
114737767 [mm]
  rect 1.8x2.4 smd: 1(-12.5,-3.8) 2(-7.5,-3.8) 3(-5,-3.8) 4(-2.5,-3.8) 5(0,-3.8) 6(2.5,-3.8) 7(5,-3.8) 8(7.5,-3.8) 9(10,-3.8) 10(12.5,-3.8)
  round 1.65 hole 1.1: 11(-10,0) 12(14.15,0)
  silkscreen extent -14.35,-2.4 14.15,2.4, body extent -16.35,-4.4 16.35,2.4, height 6.55
ABM8272T3 [mm]
  rect 1.3x1.05 smd: 1(-1.15,-0.875) 2(1.15,-0.875) 3(1.15,0.875) 4(-1.15,0.875)
  silkscreen extent -1.2,-1.9 0.2,1.25, body extent -1.6,-1.25 1.6,1.25, height 0.75
AOTAB201610S3R3101T [mm]
  rect 1x1.6 smd: 1(-1,0) 2(1,0)
  silkscreen extent -2.1,-0.8 0,0.8, body extent -1,-0.8 1,0.8, height 1
B82477G4472M000 [mm]
  rect 3.1x5.6 smd: 1(-5.05,0) 2(5.05,0)
  silkscreen extent -7.2,-6.4 6.4,6.4, body extent -6,-6 6,6, height 7.56
"CAP 0402_1005" [mm] "Chip Capacitor, 2-Leads, Body 1.02x0.51mm, IPC Medium Density"
  rect 0.6x0.64 smd: 1(-0.44,0) 2(0.44,0)
  silkscreen extent -1,-0.5 1,0.5, body extent -0.5,-0.26 0.5,0.26, height 0.52
"CAP 0603_1608" [mm] "Chip Capacitor, 2-Leads, Body 1.60x0.80mm, IPC Medium Density"
  rect 0.9x1 smd: 1(-0.675,0) 2(0.675,0)
  silkscreen extent -1.4,-0.7 1.4,0.7, body extent -0.8,-0.41 0.8,0.41, height 0.82
"CAP 0805_2012" [mm] "Chip Capacitor, 2-Leads, Body 2.00x1.20mm, IPC Medium Density"
  rect 1.3x1.4 smd: 1(-0.8,0) 2(0.8,0)
  silkscreen extent -1.7,-0.9 1.7,0.9, body extent -1,-0.64 1,0.64, height 1.26
"CAP 1206_3216" [mm] "Chip Capacitor, 2-Leads, Body 3.25x1.60mm, IPC Medium Density"
  rect 1.3x1.8 smd: 1(-1.45,0) 2(1.45,0)
  silkscreen extent -2.37,-1.12 2.37,1.12, body extent -1.6,-0.81 1.6,0.81, height 1.62
"CAP 1206_3216 - 0.8MM" [mm] "Chip Capacitor, 2-Leads, Body 3.25x1.60mm, IPC Medium Density"
  rect 1.3x1.8 smd: 1(-1.45,0) 2(1.45,0)
  silkscreen extent -2.37,-1.12 2.37,1.12, body extent -1.6,-0.8 1.6,0.8, height 0.8
"CAP ALSMD 6.6MM H7.7MM" [mm] "Aluminum Electrolytic Capacitor, Body 6.60x6.60x7.70mm, IPC Low Density"
  rect 3.2x1.6 smd: 1(-2.5,0) 2(2.5,0)
  silkscreen extent -3.3,-3.3 3.3,3.3, body extent -3.6,-3.3 3.6,3.3, height 7.7
CAP_A781-MN_KEM [mil]
  rect 146x59 smd paste+0 mask+0: 1(-167.5,0) 2(167.5,0)
  silkscreen extent -263,-212 212,212, body extent -220,-207 220,207, height 398
CAPAE830X1250N [mm]
  rect 3.8x2.15 smd: 1(-3.4,0) 2(3.4,0)
  silkscreen extent -4.13,-4.19 4.19,4.19, body extent -4.6,-4.25 4.6,4.25, height 12.5
"DIODES INC SDT10A45P5" [mm] "PowerDI5"
  rect 4.86x3.36 smd: 1(-1.12,0)
  rect 1.4x1.39 smd: 2(2.862,-0.92) 2(2.862,0.92)
  silkscreen extent -3.35,-2.05 2.7,2, body extent -3.25,-1.98 3.25,1.98, height 1.1
"DIODES INC SMAF" [mm] "SODFL, 2-Leads, Body 2.60x5.20mm, IPC Medium Density"
  rect 2.5x1.7 smd: 1(-2,0) 2(2,0)
  silkscreen extent -3.12,-1.5 2.3,1.52, body extent -2.6,-1.48 2.6,1.48, height 1.1
"DIODES SOT-23-3" [mm] "SOT23, 3-Leads, Body 2.90x2.40mm, Pitch 0.95mm, IPC Medium Density"
  rect 0.9x0.8 smd: 1(-1,0.95) 2(-1,-0.95) 3(1,0)
  silkscreen extent -0.7,-1.45 0.7,1.45, body extent -1.41,-1.45 1.41,1.45, height 1.5
"DO214AA SMB" [mm] "Molded Diode, 2-Leads, Body 4.31x3.62mm, IPC Medium Density"
  rect 2.45x2.15 smd: 1(-2.15,0) 2(2.15,0)
  silkscreen extent -3.6,-1.8 3.8,1.8, body extent -2.6,-1.8 2.6,1.8, height 2.4